# KiCad board OpenPLC_Hardware.kicad_pcb (continued)
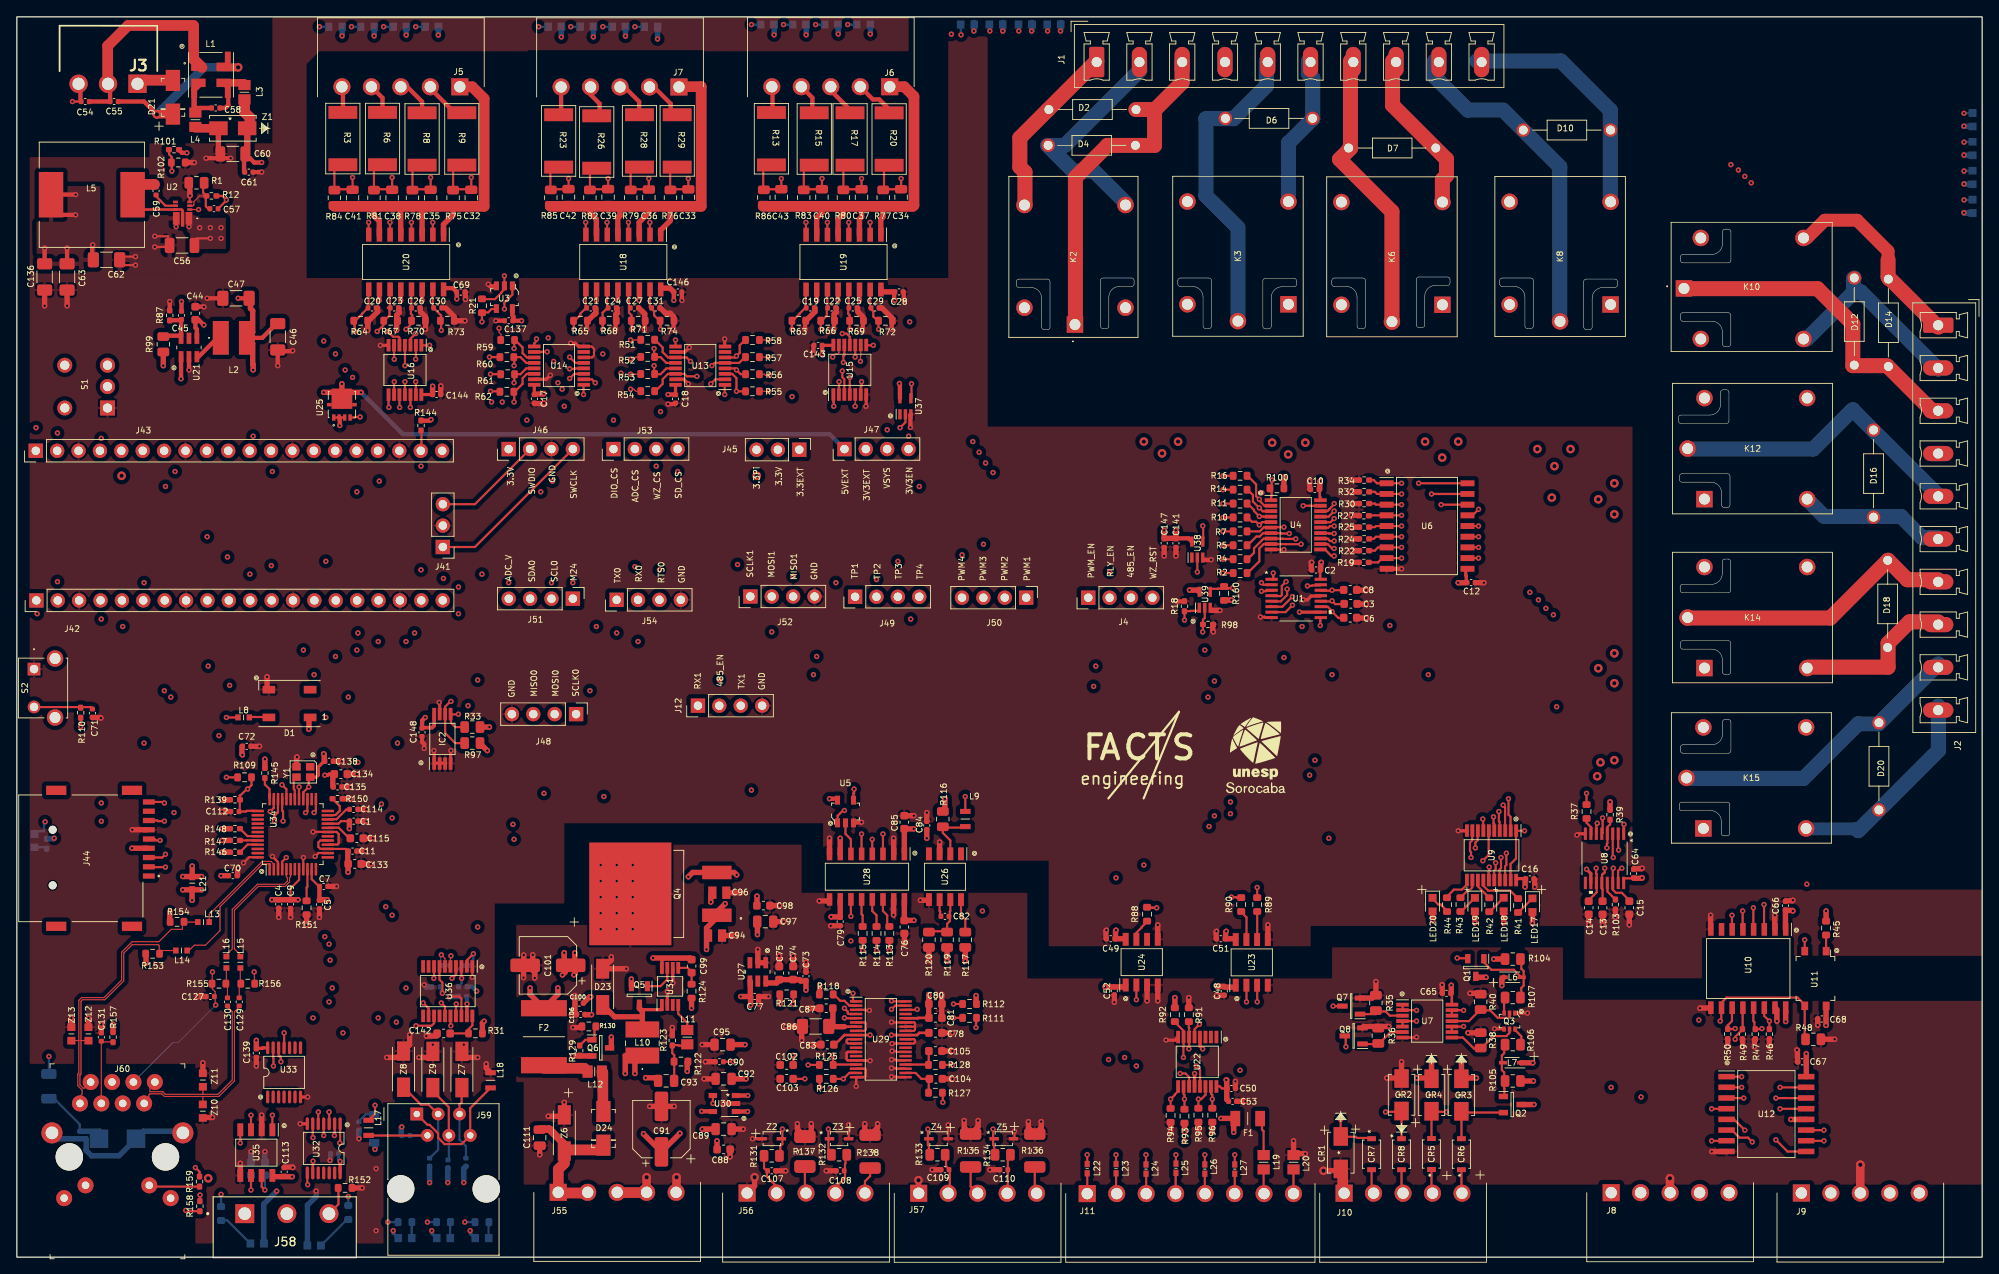
[diagram p0: board, top side]
## Routing (per net, layer and track width the routed paths; a pad name or vN(x,y) marks a point on that pad's centre or on a via; arc(x,y) is an arc through that point) (continued)
  In2.Cu w0.127: v1(101.72,108.3) 101.22,108.81 90.04,108.81 89.53,108.3 82.8,108.3 82.04,107.54 77.97,107.54 77.59,107.92 v1(75.69,107.92)
S3: length 30.3
  Top w0.254: 78.23,105.56 77.14,105.56 76.45,104.87 75.71,104.87 75.69,105.38 v1(75.69,105.89) ; 98.93,102.46 v1(98.93,104.49)
  In2.Cu w0.127: v1(75.69,105.89) 76.83,105.89 77.59,105.13 82.42,105.13 83.05,104.49 86.74,104.49 87.5,105.25 89.79,105.25 90.55,104.49 v1(98.93,104.49)
S4: length 25
  Top w0.254: v1(80.77,104.62) 79.58,104.62 79.29,104.91 77.34,104.91 76.7,104.28 76.7,103.73 75.82,102.84 75.71,102.84 ; v1(97.66,103.98) 97.66,103.48 97.63,103.45 97.63,102.46
  In2.Cu w0.127: v1(80.77,104.62) 82.29,104.62 82.93,103.98 v1(97.66,103.98)
S5: length 21.2
  Top w0.254: 86.59,102.84 v1(85.47,102.84) 85.47,104.41 84.96,104.91 84.07,104.91 ; 100.23,102.46 100.23,103.38 100.33,103.48 v1(100.33,103.98)
  In2.Cu w0.127: v1(100.33,103.98) 99.18,103.98 98.55,103.35 86.36,103.35 85.85,102.84 v1(85.47,102.84)
S6: length 17.9
  Top w0.254: 98.28,108.3 98.28,107.14 98.17,107.03 v1(98.17,106.27) ; 86.59,104.87 85.98,104.87 v1(85.47,105.38) 85.28,105.56 U13.4
  In2.Cu w0.127: v1(85.47,105.38) 85.98,105.89 97.79,105.89 v1(98.17,106.27)
S7: length 44.7
  Top w0.254: v1(46.1,105.89) 46.1,108.3 ; v1(82.55,105.89) 82.87,106.21 85.79,106.21 86.48,106.9 86.59,106.9
  In2.Cu w0.127: v1(82.55,105.89) 78.1,105.89 77.34,106.65 74.93,106.65 73.91,105.63 69.59,105.63 68.96,105 64.89,105 64.51,105.38 52.83,105.38 52.32,105.89 v1(46.1,105.89)
S8: length 44.6
  Top w0.254: U13.6 85.3,106.86 v1(85.47,107.03) 85.85,107.41 85.85,108.3 86.48,108.94 86.59,108.94 ; v1(47.37,106.65) 47.4,106.68 47.4,108.3
  In2.Cu w0.127: v1(47.37,106.65) 51.69,106.65 51.94,106.4 57.4,106.4 57.66,106.65 60.83,106.65 61.59,105.89 64.51,105.89 64.64,106.02 73.78,106.02 74.8,107.03 v1(85.47,107.03)
S9: length 21.1
  Top w0.254: v1(44.83,106.65) 44.8,106.68 44.8,108.3 ; v1(59.05,107.92) 59.08,107.95 59.08,108.94 59.18,108.94 60.07,108.05 60.07,107.37 60.58,106.86 61.47,106.86
  In2.Cu w0.127: v1(59.05,107.92) 54.1,107.92 53.59,107.41 45.59,107.41 v1(44.83,106.65)
S10: length 23.6
  Top w0.254: v1(44.19,100.94) 44.15,100.98 44.15,102.46 ; 61.47,106.21 60.5,106.21 59.81,106.9 59.08,106.9 59.08,105.91 v1(59.05,105.89)
  In2.Cu w0.127: v1(56.39,101.57) 52.32,101.57 51.69,102.21 45.46,102.21 v1(44.19,100.94)
  In3.Cu w0.254: v1(56.39,101.57) 57.53,102.71 57.53,104.36 v1(59.05,105.89)
S11: length 21.1
  Top w0.254: v1(45.46,100.94) 45.45,100.95 45.45,102.46 ; v1(59.05,103.86) 59.08,103.88 59.08,104.87 59.81,104.87 60.5,105.56 61.47,105.56
  In2.Cu w0.127: v1(57.66,101.57) 57.15,101.06 51.69,101.06 51.05,101.7 46.22,101.7 v1(45.46,100.94)
  In3.Cu w0.254: v1(57.66,101.57) 58.42,102.33 58.42,103.22 v1(59.05,103.86)
S12: length 19.2
  Top w0.254: 61.47,104.91 60.58,104.91 60.07,104.41 60.07,103.73 59.18,102.84 59.08,102.84 59.08,101.6 v1(59.05,101.57) ; 46.75,102.46 46.75,100.95 v1(46.73,100.94)
  In2.Cu w0.127: v1(46.73,100.94) 50.54,100.94 50.8,100.68 58.16,100.68 v1(59.05,101.57)
SD_CD: length 127.2
  Top w0.254: 67.31,106.21 66.35,106.21 v1(65.66,106.9) ; 15.52,54.07 17.4,54.07 v1(17.52,53.95)
  In2.Cu w0.127: v1(17.52,67.28) v1(68.07,67.28)
  In2.Cu w0.254: v1(10.03,53.95) v1(17.52,53.95) ; 3.32,51.75 10.05,51.75
  In3.Cu w0.254: v1(65.66,106.9) 66.42,106.14 66.42,99.16 68.07,97.51 v1(68.07,67.28) ; v1(10.03,53.95) 10.03,51.78 v1(10.04,51.77) ; v1(17.52,53.95) v1(17.52,67.28)
  Bottom w0.254: 3.22,50.59 3.22,51.73 ; 2.08,50.58 3.22,50.58
  vias: v1(3.36,51.71)
SNK1: length 21.1
  Top w0.254: v1(156.33,29.82) 157.83,29.82 ; v1(157.22,16.35) 157.22,14.3 159.03,14.3 159.16,14.16 160.91,14.16
  In3.Cu w0.254: v1(156.33,29.82) 156.33,24.48 157.22,23.59 v1(157.22,16.35)
SNK2: length 16
  Top w0.254: 164.46,14.16 164.46,17.27 162.58,17.27 v1(162.56,17.24) ; 157.83,26.26 157.83,24.99 v1(157.86,24.99)
  In3.Cu w0.254: v1(162.56,17.24) 160.14,19.66 160.14,22.7 v1(157.86,24.99)
SPI0_CLK: length 119.6
  Top w0.254: v1(31.62,51.79) 31.62,52.93 31.51,53.04 31.51,54.51 ; v1(17.02,49.5) 16.51,49.5 16.34,49.67 15.58,49.67
  In2.Cu w0.127: v1(43.05,92.17) v1(63.62,92.17)
  In2.Cu w0.254: v1(17.02,49.5) 17.65,48.87 28.7,48.87 v1(31.62,51.79) 39.49,51.79 40.64,50.64 49.91,50.64 50.92,49.63 v1(59.05,49.63)
  In3.Cu w0.127: v1(43.05,92.17) 43.05,93.7 42.98,93.77 42.98,95.78 ; 66.42,64.49 66.42,70.84 64.77,72.49 64.77,79.73 63.62,80.87 v1(63.62,92.17)
  In3.Cu w0.254: v1(59.05,49.63) 66.42,56.99 66.42,64.49
SPI0_MISO: length 101.1
  Top w0.254: v1(30.6,51.79) 30.6,52.42 31.01,52.83 31.01,54.51 ; v1(17.52,51.79) 16.76,51.79 16.68,51.87 15.58,51.87
  In2.Cu w0.127: v1(53.59,65.5) 53.8,65.71 60.11,65.71 61.34,64.49
  In2.Cu w0.254: v1(58.92,51.41) 50.29,51.41 50.03,51.15 40.76,51.15 39.75,52.17 33.02,52.17 32.76,52.42 31.24,52.42 v1(30.6,51.79) v1(17.52,51.79)
  In3.Cu w0.127: 50.6,95.78 53.59,92.79 v1(53.59,65.5)
  In3.Cu w0.254: 61.34,64.49 61.34,53.82 v1(58.92,51.41)
SPI0_MOSI: length 118.5
  Top w0.254: 30.51,54.51 30.51,53.35 v1(30.1,52.93) ; 15.52,47.47 17.27,47.47 v1(17.65,47.85)
  In2.Cu w0.127: v1(40.38,90.9) v1(62.23,90.9)
  In2.Cu w0.254: v1(18.67,52.8) 21.33,52.8 21.84,52.29 26.79,52.29 27.43,52.93 v1(30.1,52.93) 33.27,52.93 34.8,54.45 37.97,54.45 38.61,55.09 v1(62.61,55.09)
  In3.Cu w0.127: v1(62.23,90.9) 62.23,72.49 63.88,70.84 63.88,64.49 ; v1(40.38,90.9) 40.38,93.06 40.44,93.12 40.44,95.78
  In3.Cu w0.254: v1(17.65,47.85) 18.67,48.87 v1(18.67,52.8) ; v1(62.61,55.09) 62.61,59.03 63.88,60.3 63.88,64.49
SPI1_CLK: length 268.8
  Top w0.254: 157.58,75.92 156.97,75.92 v1(156.21,76.68) 156.21,76.74 155.7,77.25 154.82,77.25 ; v1(187.58,46.2) 187.58,45.56 187.64,45.5 187.64,43.34 186.69,42.39 186.69,42.29 ; v1(68.7,103.86) 68.3,104.26 67.31,104.26 ; 84.07,104.26 82.95,104.26 v1(82.42,103.73) ; 101.6,48.05 v1(101.6,49.63)
  In2.Cu w0.127: v1(68.7,103.86) 75.56,103.86 76.2,103.22 80.77,103.22 81.28,103.73 v1(82.42,103.73) ; v1(35.3,69.19) v1(94.61,69.19) v1(156.21,69.19) v1(167.64,69.19)
  In3.Cu w0.127: v1(35.3,69.19) 35.3,73.25 35.36,73.3 35.36,78
  In3.Cu w0.254: v1(101.6,49.63) 101.6,51.41 98.17,54.83 98.17,65.63 v1(94.61,69.19) 90.93,72.87 90.93,74.65 87.12,78.46 87.12,87.22 82.42,91.92 v1(82.42,103.73) ; v1(167.64,69.19) 186.69,50.14 186.69,47.09 v1(187.58,46.2) ; v1(156.21,69.19) v1(156.21,76.68)
SPI1_MISO: length 130.5
  Top w0.254: v1(55.24,111.1) 55.24,112.21 55.98,112.21 56.39,112.62 56.97,112.62 ; v1(99.44,55.6) 99.44,55.09 99.36,55.09 99.36,54.33
  In2.Cu w0.127: v1(27.68,81.12) v1(55.24,81.12) 64.39,81.12 64.64,80.87 92.07,80.87
  In2.Cu w0.254: v1(92.2,80.87) 92.2,81 92.07,80.87
  In3.Cu w0.127: v1(55.24,81.12) v1(55.24,111.1) ; v1(27.68,81.12) 27.68,79.85 27.74,79.8 27.74,78
  In3.Cu w0.254: v1(92.2,80.87) 92.2,78.46 99.44,71.22 v1(99.44,55.6)
SPI1_MOSI: length 168.4
  Top w0.254: 157.58,79.22 v1(156.21,79.22) 156.14,79.16 154.82,79.16 ; 102.87,48.05 v1(102.87,50.26)
  In2.Cu w0.127: v1(150.49,71.22) v1(94.99,71.34) v1(37.84,71.34)
  In3.Cu w0.127: v1(37.84,71.34) 37.84,74.39 37.9,74.45 37.9,78
  In3.Cu w0.254: 89.66,78.46 89.66,76.68 v1(94.99,71.34) 98.8,67.53 98.8,54.96 102.87,50.9 v1(102.87,50.26) ; v1(150.49,71.22) 150.49,73.63 154.05,77.19 154.18,77.19 v1(156.21,79.22)
SRC3: length 25.1
  Top w0.254: v1(169.8,17.24) 169.77,17.27 168.02,17.27 168.02,14.16 ; 172.4,35.51 171.09,35.51 v1(171.07,35.53)
  In3.Cu w0.254: v1(169.8,17.24) 169.8,29.94 171.07,31.21 v1(171.07,35.53)
SRC4: length 8.3
  Top w0.254: 171.57,14.16 171.57,17.27 171.57,17.18 176.68,17.18
SWCLK: length 20.3
  Top w0.254: J41.1 54.41,84.35 J46.4
SWDIO: length 13.1
  Top w0.254: J41.3 54.41,89.43 60.96,95.98
TP1: length 155
  Top w0.254: 145.41,42.67 144.88,42.67 144.78,42.77 v1(144.27,42.77)
  In2.Cu w0.127: v1(10.03,75.79) 94.74,75.79 97.41,78.46 99.56,78.46
  In2.Cu w0.254: v1(130.55,45.06) 139.57,45.06 141.86,42.77 v1(144.27,42.77)
  In3.Cu w0.127: 9.96,78 9.96,76.62 10.03,76.55 v1(10.03,75.79)
  In3.Cu w0.254: 99.56,78.46 115.19,62.84 115.19,60.42 v1(130.55,45.06)
TP2: length 117.5
  Top w0.254: 147.32,42.67 v1(147.32,43.91)
  In2.Cu w0.127: v1(50.67,80.62) 63.88,80.62 64.13,80.36 65.28,80.36 65.53,80.62 66.67,80.62 66.8,80.49 91.69,80.49 91.82,80.36 92.71,80.36 93.09,80.74 99.44,80.74 99.69,80.49 v1(102.1,80.49)
  In2.Cu w0.254: v1(133.85,46.58) 139.19,46.58 141.86,43.91 v1(147.32,43.91)
  In3.Cu w0.127: 50.6,78 50.6,79.53 50.67,79.6 v1(50.67,80.62)
  In3.Cu w0.254: v1(133.85,46.58) 118.11,62.33 118.11,62.45 102.1,78.46 v1(102.1,80.49)
TP3: length 126
  Top w0.254: v1(24.89,56.99) 26.26,56.99 ; v1(24.89,64.11) 26.13,64.11
  In2.Cu w0.127: v1(36.7,82.65) 83.05,82.65 83.18,82.77 85.85,82.77 85.98,82.65 v1(104.65,82.65)
  In2.Cu w0.254: v1(24.89,64.11) v1(36.7,64.11)
  In3.Cu w0.254: 104.65,78.46 v1(104.65,82.65) ; 37.9,95.78 37.9,89.81 36.7,88.62 v1(36.7,82.65) v1(36.7,64.11) ; v1(24.89,56.99) v1(24.89,64.11)
TP4: length 156.7
  Top w0.254: v1(135.38,41.5) 134.87,41.5 134.85,41.53 134.24,41.53
  In2.Cu w0.127: v1(17.65,91.54) v1(107.19,91.54)
  In3.Cu w0.254: v1(107.19,91.54) 107.19,78.46 121.79,63.85 121.79,63.47 135.38,49.88 v1(135.38,41.5) ; 17.58,95.78 17.58,93.52 17.65,93.44 v1(17.65,91.54)
TXN: length 16.2
  Top w0.127: 20.34,36.42 20.44,36.42 21.08,37.06 22.4,37.06 24.13,38.78 24.13,41.62 29.21,46.71 29.92,46.71 30.01,46.61 30.01,46.01
TXP: length 12
  Top w0.127: 30.51,46.01 30.51,46.7 30.2,47.01 29.15,47.01 22.84,40.7 L13.2
UART0_RTS: length 112.2
  Top w0.254: v1(47.41,27.49) 49.26,27.49 49.55,27.78 49.55,28.67 ; v1(38.35,13.56) 38.4,13.56 U32.1
  In2.Cu w0.127: v1(48,81.63) 68.7,81.63 68.96,81.38 74.67,81.38 74.93,81.63 v1(76.32,81.63)
  In2.Cu w0.254: v1(47.41,27.49) 46.99,27.91 v1(45.08,27.91)
  In3.Cu w0.127: v1(38.35,13.56) 40.38,15.59 40.38,23.21 v1(45.08,27.91) ; v1(47.41,27.49) 46.99,27.91 46.99,73.67 46.73,73.93 46.73,74.35 48.04,75.66 48.04,81.59 v1(48,81.63)
  In3.Cu w0.254: 76.32,78.08 v1(76.32,81.63)
UART0_RX: length 114.5
  Top w0.254: v1(50.42,30.2) 50.85,29.76 50.85,28.67 ; U32.5 35.8,17.24 v1(35.81,17.24)
  In2.Cu w0.127: v1(37.46,31.97) v1(46.22,31.97) 47.24,31.97 48,31.21 49.4,31.21 v1(50.42,30.2) ; v1(42.92,73.12) v1(46.22,73.12) v1(73.78,73.12)
  In3.Cu w0.127: v1(35.81,17.24) 35.81,30.32 v1(37.46,31.97) ; v1(46.22,31.97) 46.73,32.48 46.73,72.61 v1(46.22,73.12) ; 42.98,78 42.98,75.34 42.92,75.28 v1(42.92,73.12)
  In3.Cu w0.254: v1(73.78,73.12) 73.78,78.08
UART0_TX: length 110.4
  Top w0.254: v1(37.08,17.24) 37.1,17.24 U32.3 ; v1(48.26,30.2) 48.77,29.69 48.78,29.69 48.9,29.56 48.9,28.67
  In2.Cu w0.127: v1(71.24,74.14) v1(47.24,74.14) v1(40.51,74.14) ; v1(37.08,30.32) 42.54,30.32 42.67,30.2 v1(48.26,30.2)
  In3.Cu w0.127: v1(47.24,74.14) 47.24,31.21 v1(48.26,30.2) ; 40.44,78 40.44,75.86 40.51,75.79 v1(40.51,74.14)
  In3.Cu w0.254: v1(37.08,17.24) v1(37.08,30.32) ; v1(71.24,74.14) 71.24,78.08
UART1_RX: length 148.2
  Top w0.254: 31.75,24.86 v1(31.75,26.64)
  In2.Cu w0.127: v1(18.28,66.52) v1(39.37,66.52) 67.43,66.52 68.45,65.5 J12.1
  In2.Cu w0.254: v1(31.75,26.64) v1(38.73,26.64)
  In3.Cu w0.127: v1(18.28,66.52) 18.28,71.85 17.58,72.56 17.58,78
  In3.Cu w0.254: v1(39.37,66.52) 39.37,57.25 40.26,56.36 40.26,29.42 38.73,27.89 v1(38.73,26.64) ; v1(31.75,26.64) 31.75,24.99 28.7,21.94 28.7,18.89 25.27,15.46 25.27,8.48 v1(24.25,7.46)
  Bottom w0.254: 24.25,5.97 v1(24.25,7.46)
UART1_TX: length 161.3
  Top w0.254: v1(26.54,13.56) 26.54,15.29 ; v1(35.18,11.4) 35.18,10.89 35.15,10.89 U32.9
  In2.Cu w0.127: v1(26.54,13.56) 30.98,13.56 33.14,11.4 v1(35.18,11.4) ; v1(15.11,61.06) 21.33,61.06 21.59,61.31 33.4,61.31 33.65,61.06 v1(45.21,61.06) ; v1(35.18,28.42) v1(42.92,28.42)
  In2.Cu w0.254: J12.3 81.53,61.06 v1(45.21,61.06)
  In3.Cu w0.127: 15.04,78 15.04,69.26 15.11,69.19 v1(15.11,61.06) ; v1(35.18,28.42) 35.18,16.99 34.67,16.48 34.67,13.05 35.18,12.54 v1(35.18,11.4)
  In3.Cu w0.254: v1(42.92,28.42) 42.92,34.51 45.21,36.8 v1(45.21,61.06)
Z: length 2.6
  Top w0.254: 132.97,37.89 132.97,38.53 133.6,39.16 133.6,39.21 134.24,39.85 134.24,39.95
~{AD_SSEL}: length 19
  Top w0.254: v1(100.45,36.42) 100.45,37.66 ; v1(111.25,30.07) 112.37,30.07 ; v1(103.88,30.45) 103.88,30.38 105.51,30.38
  In2.Cu w0.254: v1(111.25,30.07) 109.22,30.07 108.84,30.45 v1(103.88,30.45)
  In3.Cu w0.254: v1(100.45,36.42) 102.1,34.77 102.1,32.23 v1(103.88,30.45)
~{ADC_CS}: length 199.8
  Top w0.254: 100.33,48.05 v1(100.33,50.26) ; 140.96,75.78 141.09,75.91 U39.2 ; v1(98.3,53.06) 98.12,53.06 97.48,52.42 97.48,51.63 ; 140.87,74.49 140.87,75.75 ; v1(140.84,74.27) 140.84,74.53
  In2.Cu w0.127: v1(89.66,74.27) v1(140.84,74.27) ; v1(30.22,82.14) 60.19,82.14 60.32,82.01 v1(73.4,82.01) 74.8,82.01 75.05,82.27 v1(85.59,82.27)
  In2.Cu w0.254: v1(98.3,53.06) 93.6,53.06 91.18,55.47 v1(87.25,55.47)
  In3.Cu w0.127: v1(30.22,82.14) 30.22,80.36 30.28,80.31 30.28,78
  In3.Cu w0.254: v1(87.25,55.47) 87.25,71.22 85.59,72.87 v1(85.59,82.27) ; v1(73.4,82.01) J53.2 ; v1(100.33,50.26) 99.18,51.41 99.18,52.17 v1(98.3,53.06) 98.3,53.95 97.66,54.58 97.66,64.87 89.66,72.87 v1(89.66,74.27)
~{DIO_CS}: length 281.1
  Top w0.254: v1(104.9,98.52) 105.53,99.16 U37.2 ; 58.85,115.32 58.85,114.32 57.91,113.38 v1(57.91,112.62) ; v1(138.68,75.66) 138.68,76.74 139.38,76.74 139.4,76.77 140.02,76.77 ; 139.78,76.77 140.39,76.77 ; 154.82,77.89 156.14,77.89 v1(156.21,77.95) 156.59,77.57 157.58,77.57 ; v1(188.59,46.2) 188.59,45.69 188.46,45.56 188.4,45.56 188.27,45.44 188.27,43.72 188.34,43.66 188.34,42.29
  In2.Cu w0.127: v1(104.9,98.52) 104.26,98.52 103.38,99.41 v1(70.86,99.41) v1(60.58,99.41) ; v1(106.17,75.79) 122.3,75.79 122.43,75.66 v1(138.68,75.66) 143.13,75.66 143.89,74.9 v1(152.65,74.9) ; v1(12.57,74.9) v1(68.83,74.9)
  In3.Cu w0.127: 12.5,78 12.5,76.24 12.57,76.17 v1(12.57,74.9) ; v1(57.91,112.62) 57.91,111.1 60.58,108.43 v1(60.58,99.41) ; v1(106.17,75.79) 106.17,76.42 105.91,76.68 105.91,88.36 104.77,89.51 104.77,98.01 104.9,98.14 v1(104.9,98.52) ; J53.1 v1(70.86,99.41)
  In3.Cu w0.254: v1(188.59,46.2) 187.32,47.47 187.32,50.39 165.6,72.11 163.19,72.11 157.48,77.82 157.48,77.95 v1(156.21,77.95) 155.7,77.95 v1(152.65,74.9) ; v1(68.83,74.9) 68.83,79.47 70.86,81.5 J53.1
~{MISSING_24V}: length 93.9
  Top w0.254: 67.31,104.91 66.2,104.91 v1(65.66,104.36) ; 112.65,53.06 v1(112.65,54.71)
  In2.Cu w0.127: v1(66.04,80.11) v1(97.28,80.11)
  In3.Cu w0.254: v1(97.28,80.11) 97.28,75.54 112.65,60.17 v1(112.65,54.71) ; 66.04,78.2 v1(66.04,80.11) 66.04,86.71 67.05,87.73 67.05,94.45 67.35,94.75 67.35,97.46 65.66,99.16 v1(65.66,104.36)
~{RELAY_OE}: length 90.7
  Top w0.254: 188.25,50.29 188.35,50.39 188.35,51.8 188.34,51.81 v1(188.34,52.17) ; v1(140.21,81.38) 140.21,82.74
  In2.Cu w0.127: v1(182.88,65.38) 163.7,65.38 162.56,66.52 v1(141.47,66.52) ; v1(129.79,81.38) v1(140.21,81.38)
  In3.Cu w0.127: J4.2 v1(129.79,81.38)
  In3.Cu w0.254: v1(182.88,65.38) 182.88,60.17 188.34,54.71 v1(188.34,52.17) ; J4.2 135.76,72.36 135.76,72.23 v1(141.47,66.52)
~{SDCARD_CS}: length 114.8
  Top w0.254: 15.56,46.33 v1(17.65,46.33)
  In2.Cu w0.127: v1(18.79,93.32) v1(30.35,93.32) 36.06,93.32 36.19,93.44 71.37,93.44 71.5,93.32 v1(78.48,93.32)
  In3.Cu w0.127: v1(18.79,93.32) 18.79,65.63 19.17,65.25 19.17,47.85 v1(17.65,46.33) ; 30.28,95.78 30.28,94.53 30.35,94.46 v1(30.35,93.32)
  In3.Cu w0.254: v1(78.48,93.32) J53.4
~{WIZNET_CS}: length 117.1
  Top w0.254: 48,98.21 48.06,98.15 48.06,95.78 ; 32.01,54.51 32.01,55.58 v1(31.49,56.1)
  In2.Cu w0.127: v1(48,93.95) v1(75.94,93.95)
  In2.Cu w0.254: v1(31.49,56.1) 32.38,56.1 32.76,56.49 41.14,56.49 41.91,55.72 68.7,55.72 v1(69.72,54.71)
  In3.Cu w0.254: 48.06,95.78 48.06,93.95 v1(48,93.95) ; J53.3 v1(75.94,93.95) 75.94,87.22 75.05,86.33 75.05,60.04 v1(69.72,54.71)
~{WIZNET_INT}: length 2.6
  Top w0.254: 29.46,56.93 29.46,56.15 30.01,55.6 30.01,54.51
~{WIZNET_RESET}: length 228.5
  Top w0.254: 186.43,53.72 v1(186.43,55.09) ; 27.87,56.99 27.87,56.06 v1(27.41,55.6) 27.3,55.6 26.54,54.83 26.48,54.83 26.48,52.93 27.22,52.93 27.3,53.01 28.51,53.01
  In2.Cu w0.127: v1(34.03,72.11) v1(40.38,72.11) v1(141.09,72.11)
  In2.Cu w0.254: v1(186.43,55.09) 183.26,55.09 179.32,59.03 v1(154.18,59.03) ; v1(40.51,58.77) 39.75,58.77 38.99,58.01 31.11,58.01 28.7,55.6 v1(27.41,55.6)
  In3.Cu w0.127: v1(34.03,72.11) 34.03,88.74 35.36,90.07 35.36,95.78
  In3.Cu w0.254: J4.4 v1(141.09,72.11) v1(154.18,59.03) ; v1(40.38,72.11) 40.38,61.95 40.51,61.82 v1(40.51,58.77)
Net-(C19-Pad1): length 23
  Top w0.127: v1(99.56,101.06) 99.56,101.44 99.58,101.46 99.58,102.46
  Top w0.254: v1(92.07,110.21) 92.05,110.23 92.05,111.22 92.15,111.22 92.96,112.04 92.96,112.07 93.63,112.75 93.66,112.75 93.72,112.81 93.72,115.1
  In2.Cu w0.127: v1(99.56,101.06) 98.55,101.06 97.41,102.21 v1(92.07,102.21)
  In3.Cu w0.127: v1(92.07,102.21) v1(92.07,110.21)
Net-(C20-Pad1): length 13.1
  Top w0.254: v1(40.13,109.95) 40.13,110.59 40.1,110.61 40.1,111.22 40.21,111.22 41.02,112.04 41.02,112.07 41.69,112.75 41.72,112.75 41.78,112.81 41.78,115.1 ; 45.45,108.3 45.45,109.19 45.32,109.32 44.7,109.32 v1(44.07,109.95)
  In2.Cu w0.127: v1(40.13,109.95) 40.89,110.71 43.3,110.71 v1(44.07,109.95)
Net-(C21-Pad1): length 40
  Top w0.254: 98.93,108.3 98.93,109.32 98.55,109.7 v1(98.04,109.7) ; v1(66.16,110.21) 66.16,110.71 66.14,110.71 66.14,111.22 66.24,111.22 66.93,111.91 66.93,112.07 67.6,112.75 67.62,112.75 67.56,112.81 67.56,115.1
  In2.Cu w0.127: v1(98.04,109.7) 97.91,109.57 90.93,109.57 90.67,109.83 78.36,109.83 78.23,109.7 67.18,109.7 66.67,110.21 v1(66.16,110.21)
Net-(C22-Pad1): length 11
  Top w0.127: 97.63,108.3 97.63,107.41 97.5,107.29 97.28,107.29 v1(96.9,106.9)
  Top w0.254: 96.26,115.1 96.26,112.81 96.2,112.75 96.2,111.85 95.58,111.22 95.48,111.22 95.48,110.23 v1(95.5,110.21)
  In3.Cu w0.127: v1(96.9,106.9) 96.9,108.81 v1(95.5,110.21)
Net-(C23-Pad1): length 14.5
  Top w0.254: 44.32,115.1 44.32,113 44.07,112.75 44.26,112.75 44.26,111.85 43.63,111.22 43.53,111.22 43.53,110.69 v1(42.8,109.95) ; 44.8,102.46 44.8,103.98 v1(44.83,103.98)
  In3.Cu w0.254: v1(42.8,109.95) 43.94,108.81 43.94,106.02 44.83,105.13 v1(44.83,103.98)
Net-(C24-Pad1): length 42.4
  Top w0.127: 100.23,108.3 100.23,107.06 100.2,107.03 v1(100.2,106.4)
  Top w0.254: v1(69.59,110.21) 69.59,110.71 69.57,110.71 69.57,112.18 70.14,112.75 70.16,112.75 70.1,112.81 70.1,115.1
  In2.Cu w0.127: v1(100.2,106.4) 100.2,107.03 99.82,107.41 98.17,107.41 97.15,106.4 92.58,106.4 91.44,107.54 83.82,107.54 83.56,107.29 v1(69.59,107.29)
  In3.Cu w0.127: v1(69.59,107.29) v1(69.59,110.21)
Net-(C25-Pad1): length 59.1
  Top w0.254: v1(98.93,110.21) 98.9,110.23 98.9,111.88 98.74,112.05 98.74,112.75 98.8,112.75 98.8,115.1 ; 46.75,108.3 46.75,109.08 v1(47.37,109.7)
  In2.Cu w0.127: v1(47.37,109.7) 47.62,109.44 57.27,109.44 57.78,109.95 64.64,109.95 65.4,110.71 97.66,110.71 98.17,110.21 v1(98.93,110.21)
Net-(C26-Pad1): length 13.6
  Top w0.254: v1(46.22,110.21) 46.96,110.94 46.96,111.88 46.8,112.05 46.8,112.75 46.86,112.81 46.86,115.1 ; 46.1,102.46 v1(46.1,103.98)
  In3.Cu w0.254: v1(46.22,110.21) 46.22,106.9 45.46,106.14 45.46,105.63 46.1,105 v1(46.1,103.98)
Net-(C27-Pad1): length 41.5
  Top w0.254: 98.28,102.46 98.28,104.28 98.04,104.52 v1(98.04,105.25) ; v1(73.02,110.21) 73,110.71 73,111.88 72.7,112.18 72.7,113.57 72.64,113.64 72.64,115.1
  In2.Cu w0.127: v1(98.04,105.25) 90.17,105.25 89.91,105.51 86.86,105.51 86.23,104.87 84.07,104.87 83.56,105.38 77.72,105.38 76.7,106.4 75.05,106.4 74.04,105.38 72.51,105.38 72.13,105 v1(71.75,105)
  In3.Cu w0.127: v1(73.02,110.21) 71.75,108.94 v1(71.75,105)
Net-(C29-Pad1): length 61.1
  Top w0.254: v1(102.36,110.21) 102.33,110.23 102.33,111.22 102.23,111.22 101.72,111.73 101.72,112.33 101.3,112.75 101.28,112.75 101.34,112.81 101.34,115.1 ; 48.05,108.3 v1(49.02,108.3)
  In2.Cu w0.127: v1(102.36,110.21) 101.34,109.19 89.91,109.19 89.53,109.57 78.48,109.57 78.36,109.44 64.77,109.44 64.51,109.7 57.91,109.7 57.4,109.19 49.91,109.19 v1(49.02,108.3)
Net-(C30-Pad1): length 14.3
  Top w0.254: 49.4,115.1 49.4,112.81 49.46,112.75 49.49,112.75 50.39,111.84 50.39,110.11 v1(50.42,110.08) ; v1(47.37,103.98) 47.4,103.95 47.4,102.46
  In3.Cu w0.254: v1(50.42,110.08) 50.42,107.03 v1(47.37,103.98)
Net-(C31-Pad1): length 37.5
  Top w0.254: v1(97.03,101.06) 97.03,101.57 96.98,101.57 96.98,102.46 ; 75.18,115.1 75.18,112.81 75.24,112.75 75.27,112.75 75.69,112.33 75.69,111.86 76.32,111.22 76.43,111.22 76.43,110.61 76.45,110.59 v1(76.45,110.21)
  In2.Cu w0.127: v1(97.03,101.06) 87.25,101.06 86.61,100.43 v1(76.45,100.43)
  In3.Cu w0.127: v1(76.45,100.43) v1(76.45,110.21)
Net-(C32-Pad1): length 48.7
  Top w0.635: 50.67,121.32 50.67,122.65 51.81,123.8 51.81,124.81 ; 43.05,121.32 43.05,123.03 42.41,123.67 42.41,124.81 ; 48.13,121.32 48.13,124.81 ; 45.59,121.32 45.59,124.81
  Top w1.27: J5.1 54.09,139.01 55.5,137.6 55.5,124.81 37.72,124.81
Net-(C32-Pad2): length 16.4
  Top w0.254: 49.4,121.32 v1(49.4,122.91) ; 52.83,129.83 51.81,129.83 51.81,126.84 53.97,126.84 v1(53.97,128.24)
  In3.Cu w0.254: v1(53.97,128.24) 53.97,127.48 v1(49.4,122.91)
Net-(C33-Pad1): length 50.1
  Top w0.635: 73.91,121.32 73.91,122.91 75.05,124.05 75.05,124.81 ; 71.62,124.81 71.62,123.67 71.37,123.41 71.37,121.32 ; 68.07,124.81 68.07,124.05 68.83,123.29 68.83,121.32 ; 77.59,124.81 77.59,123.1 76.45,121.95 76.45,121.32
  Top w1.27: 63.37,124.81 81.28,124.81 81.28,139.03 78.68,139.03 J7.1
Net-(C33-Pad2): length 16
  Top w0.254: 75.18,121.32 v1(75.18,122.91) ; 78.61,129.7 77.59,129.7 77.59,126.84 79.75,126.84 v1(79.75,128.11)
  In3.Cu w0.254: v1(75.18,122.91) 77.47,125.19 77.47,125.83 v1(79.75,128.11)
Net-(C34-Pad1): length 49
  Top w0.635: 102.61,121.32 102.61,123.29 102.87,123.54 102.87,124.81 ; 94.99,121.32 94.99,123.41 95.63,124.05 95.63,124.81 ; 100.33,124.81 100.33,123.54 100.07,123.29 100.07,121.32 ; 97.53,121.32 97.53,123.29 98.17,123.92 98.17,124.81
  Top w1.27: J6.1 105.4,139.02 106.55,137.87 106.55,124.94 106.42,124.81 88.64,124.81
Net-(C34-Pad2): length 15.6
  Top w0.254: 101.34,121.32 v1(101.34,122.91) ; 102.87,126.84 102.99,126.84 ; 102.99,126.84 105.03,126.84 v1(105.03,128.11) ; 102.99,126.84 102.99,129.83 103.88,129.83
  In3.Cu w0.254: v1(101.34,122.91) 103.12,124.68 103.12,126.21 v1(105.03,128.11)
Net-(C35-Pad2): length 15.6
  Top w0.254: v1(49.15,128.24) 49.15,126.84 46.99,126.84 46.99,129.83 48.13,129.83 ; 46.86,121.32 v1(46.86,122.91)
  In3.Cu w0.254: v1(49.15,128.24) 49.15,125.95 48.64,125.45 48.64,124.68 v1(46.86,122.91)
Net-(C36-Pad2): length 15.1
  Top w0.254: v1(75.05,128.11) 75.05,126.84 72.89,126.84 72.89,129.7 73.91,129.7 ; 72.64,121.32 v1(72.64,122.91)
  In3.Cu w0.254: v1(72.64,122.91) 73.78,124.05 73.78,126.84 v1(75.05,128.11)
Net-(C37-Pad2): length 15.4
  Top w0.254: 98.8,121.32 v1(98.8,122.91) ; 99.18,129.83 99.31,129.96 99.31,130.02 98.17,130.02 98.17,126.84 100.33,126.84 v1(100.33,128.11)
  In3.Cu w0.254: v1(100.33,128.11) 100.33,124.43 v1(98.8,122.91)
Net-(C38-Pad2): length 14.6
  Top w0.254: 44.32,121.32 v1(44.32,122.91) ; 43.43,129.83 42.41,129.83 42.41,126.84 44.57,126.84 v1(44.57,128.24)
  In3.Cu w0.254: v1(44.32,122.91) 44.32,124.3 44.57,124.56 v1(44.57,128.24)
Net-(C39-Pad2): length 14.3
  Top w0.254: v1(70.23,128.11) 70.23,126.84 68.07,126.84 68.07,129.7 69.21,129.7 ; 70.1,121.32 v1(70.1,122.91)
  In3.Cu w0.254: v1(70.23,128.11) 70.23,123.03 v1(70.1,122.91)
Net-(C40-Pad2): length 14.5
  Top w0.254: 94.48,129.83 93.47,129.83 93.47,126.84 95.63,126.84 v1(95.63,128.11) ; 96.26,121.32 v1(96.26,122.91)
  In3.Cu w0.254: v1(95.63,128.11) 95.63,126.08 96.26,125.45 v1(96.26,122.91)
Net-(C41-Pad2): length 15.3
  Top w0.254: 41.78,121.32 v1(41.78,122.91) ; v1(39.88,128.24) 39.88,126.84 37.72,126.84 37.72,129.83 38.73,129.83
  In3.Cu w0.254: v1(39.88,128.24) 39.88,126.46 41.78,124.56 v1(41.78,122.91)
Net-(C42-Pad2): length 15.1
  Top w0.254: 67.56,121.32 v1(67.56,122.91) ; v1(65.53,128.11) 65.53,126.84 63.37,126.84 63.37,129.7 64.51,129.7
  In3.Cu w0.254: v1(65.53,128.11) 65.53,124.94 v1(67.56,122.91)
Net-(C43-Pad2): length 15.7
  Top w0.254: v1(90.8,128.11) 90.8,126.84 88.64,126.84 88.64,129.96 89.79,129.83 ; 93.72,121.32 v1(93.72,122.91)
  In3.Cu w0.254: v1(90.8,128.11) 92.2,126.72 92.2,124.43 v1(93.72,122.91)
Net-(C45-Pad2): length 5.5
  Top w0.508: 17.4,109.44 19.41,109.44 19.5,109.35 19.5,111.24 19.55,111.29 18.16,111.29
Net-(C55-Pad1): length 21.2
  Top w0.508: v2(16.63,135.73) 15.11,137.26 12.13,137.26
  Top w0.889: v2(26.29,141.32) 26.27,141.3 L1.4
  Top w1.016: 18.54,135.76 16.63,135.76 v2(16.63,135.73)
  Bottom w1.016: v2(26.29,141.32) 22.22,141.32 v2(16.63,135.73)
Net-(C57-Pad1): length 6.3
  Top w0.127: U2.3 20.92,124.88 21.03,124.99 21.03,125.38 21.7,126.05 R12.1
  Top w0.254: 22.44,124.81 22.44,125.98 R12.1 22.12,126.44 22.12,127.61 ; 22.45,124.81 22.73,124.53 C57.1 ; 22.84,124.43 22.83,124.43
Net-(C58-Pad1): length 6.6
  Top w0.508: 24.48,139.48 25.11,138.86 25.11,136.84 24.76,136.5 24.19,136.5
  Top w0.889: 24.48,139.48 26.98,139.48 27.05,139.42
Net-(C58-Pad2): length 6.1
  Top w0.508: 23.05,136.5 21.21,136.5 21.21,136.11
  Top w0.635: L1.2 21.06,138.63 21.06,136.26 21.21,136.11
Net-(C59-Pad1): length 3.1
  Top w0.254: 16.96,125.57 17.65,124.88 18.83,124.88 ; 16.45,126.09 17.15,125.39
